# Altium PCB Display.PcbDoc
Units mil, origin at the board's own origin, x right, y up, seen from the top; angles counter-clockwise.
Board outline 2724.41 x 1968.5 mil, 4 copper layers (Top Layer, GND, POWER, Bottom Layer), stack 62.449 mil thick; 85 components, 65 nets, 358 pads, 324 vias.
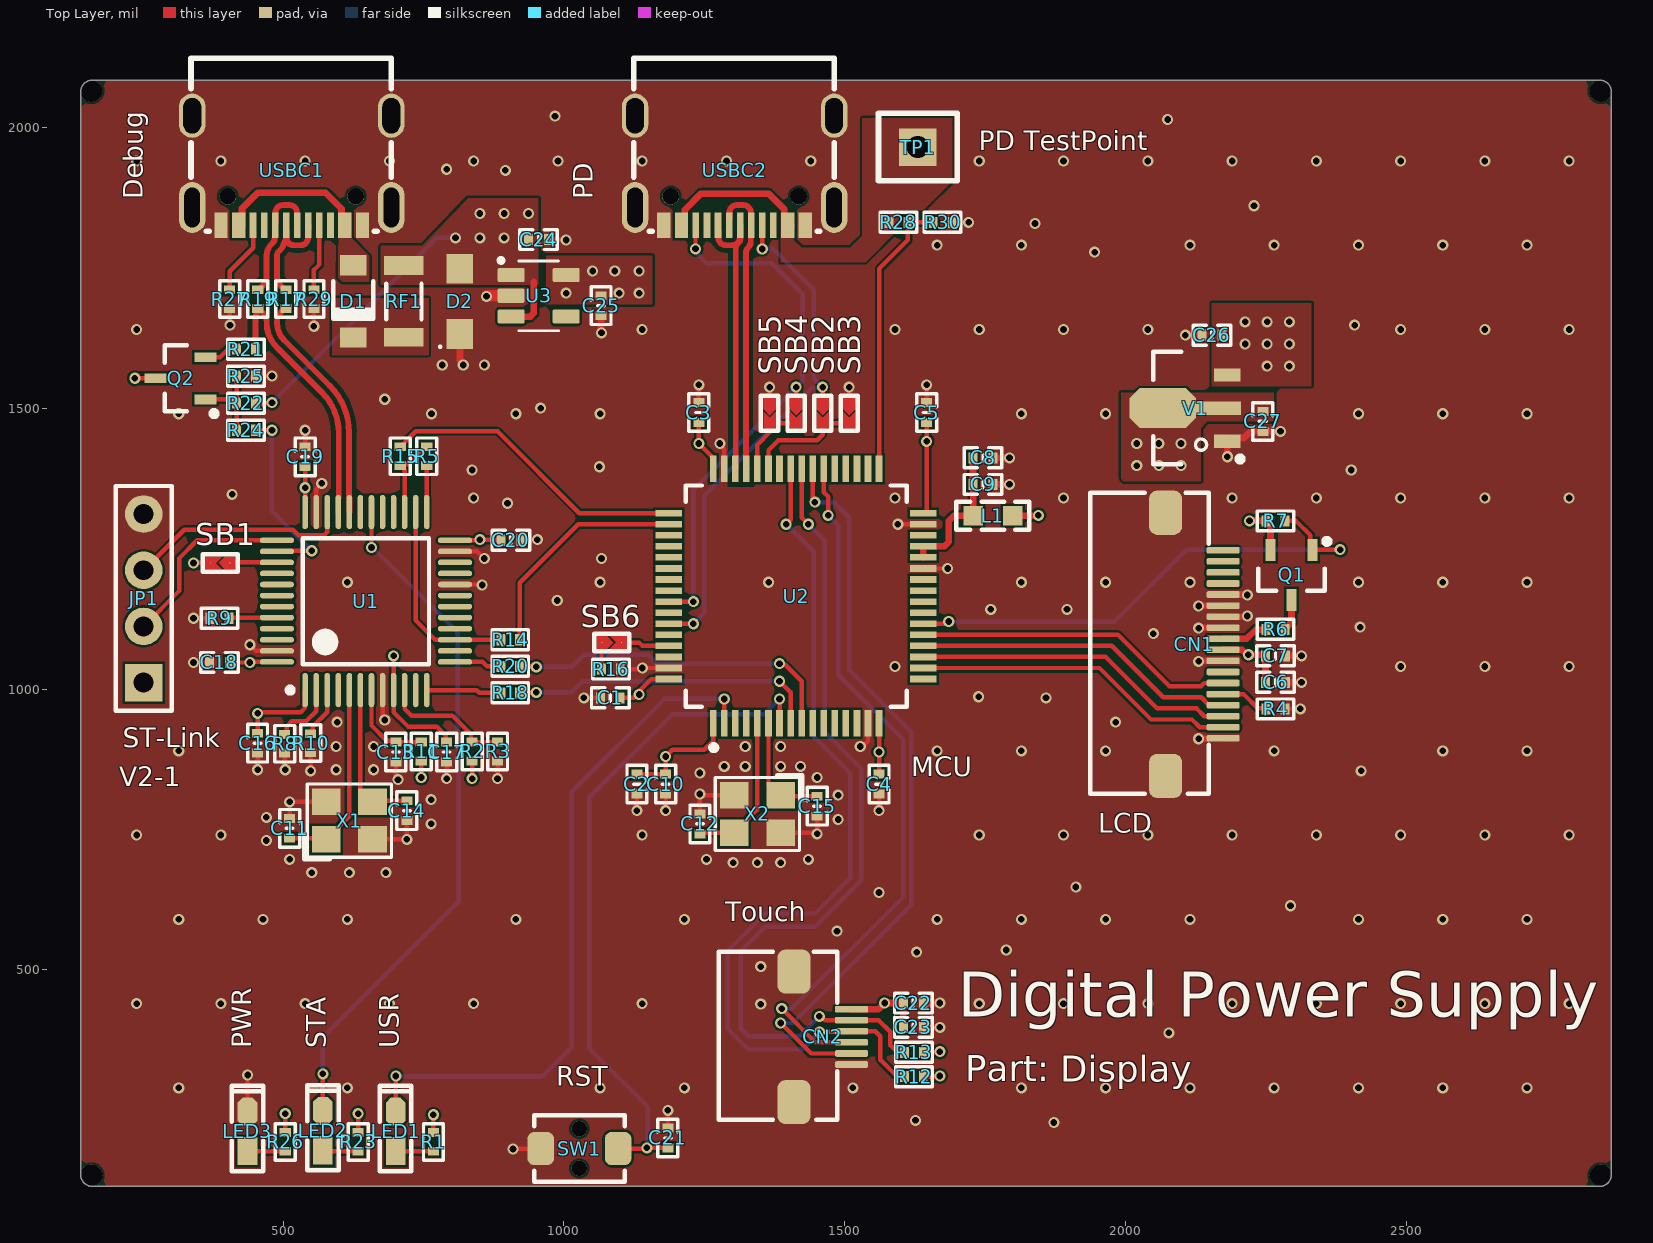
[diagram p0: Top Layer view]
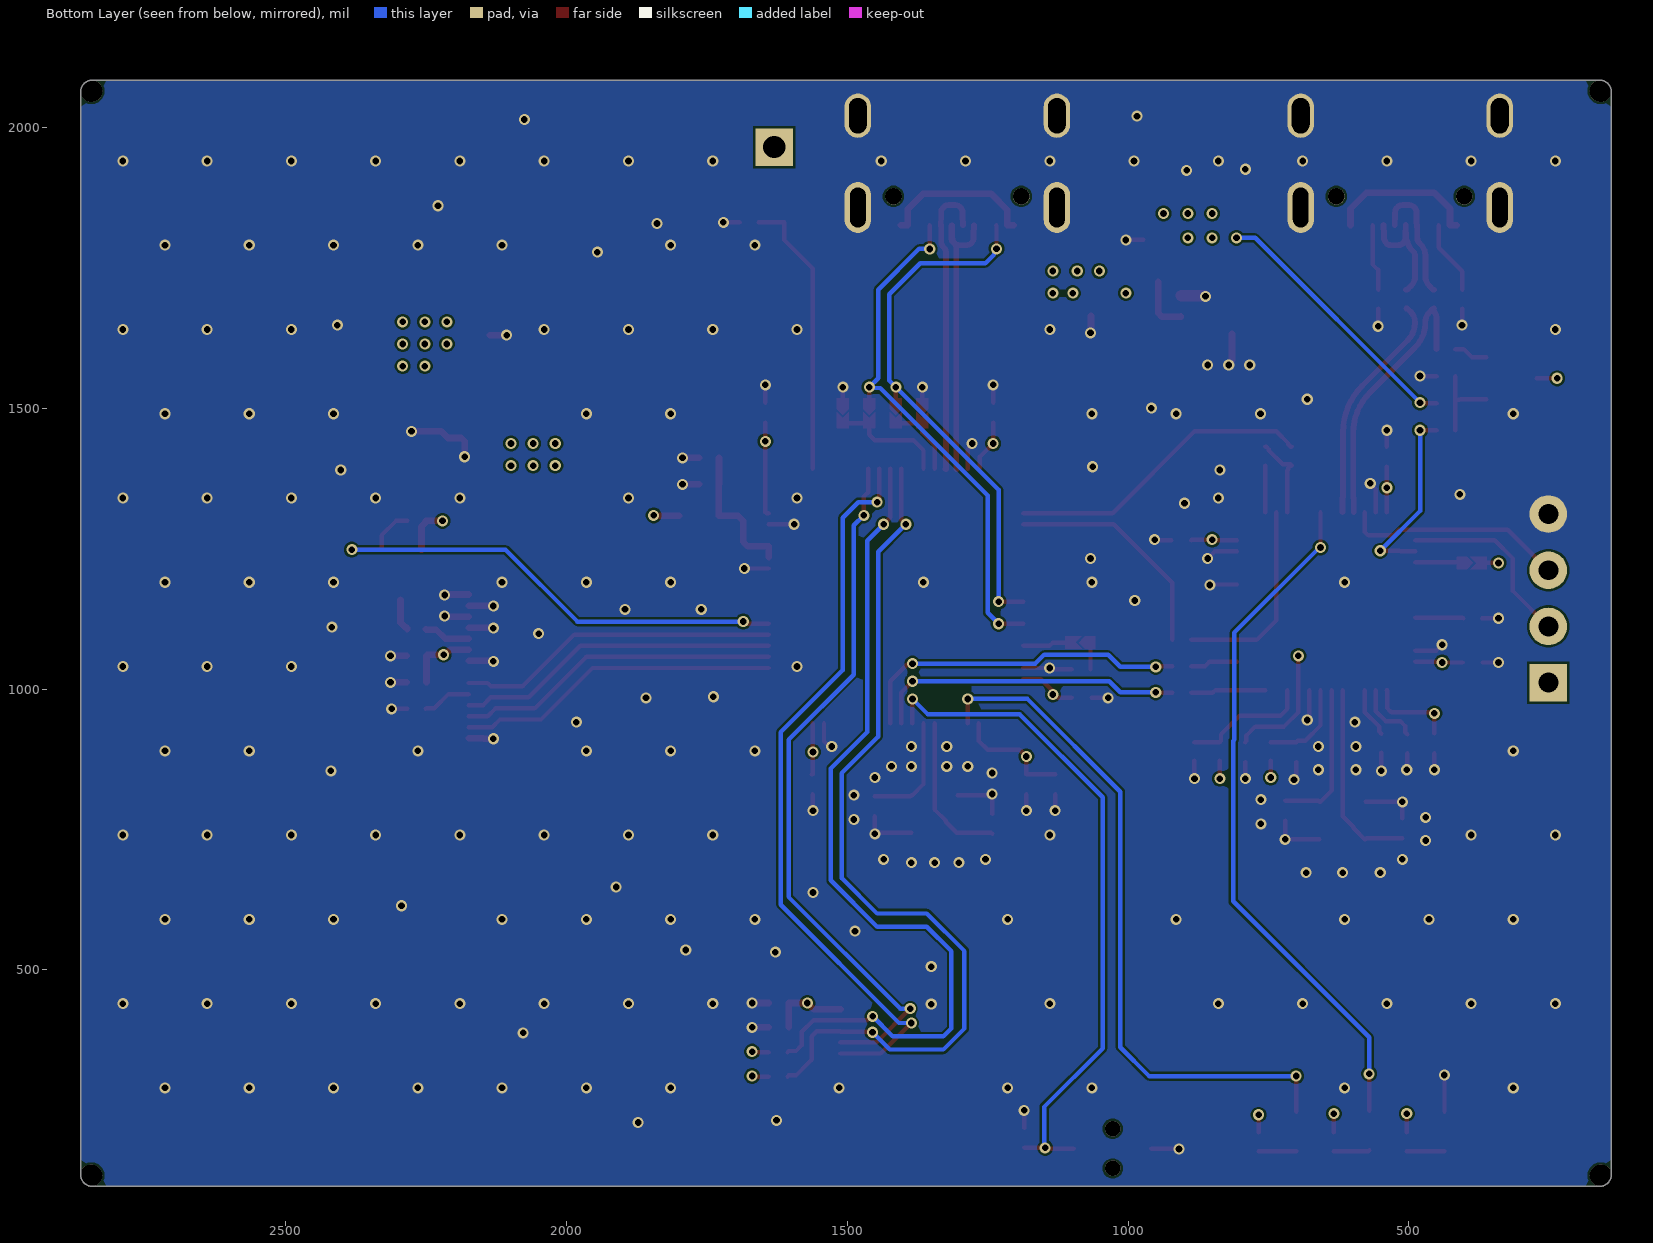
[diagram p1: Bottom Layer view, seen from below]
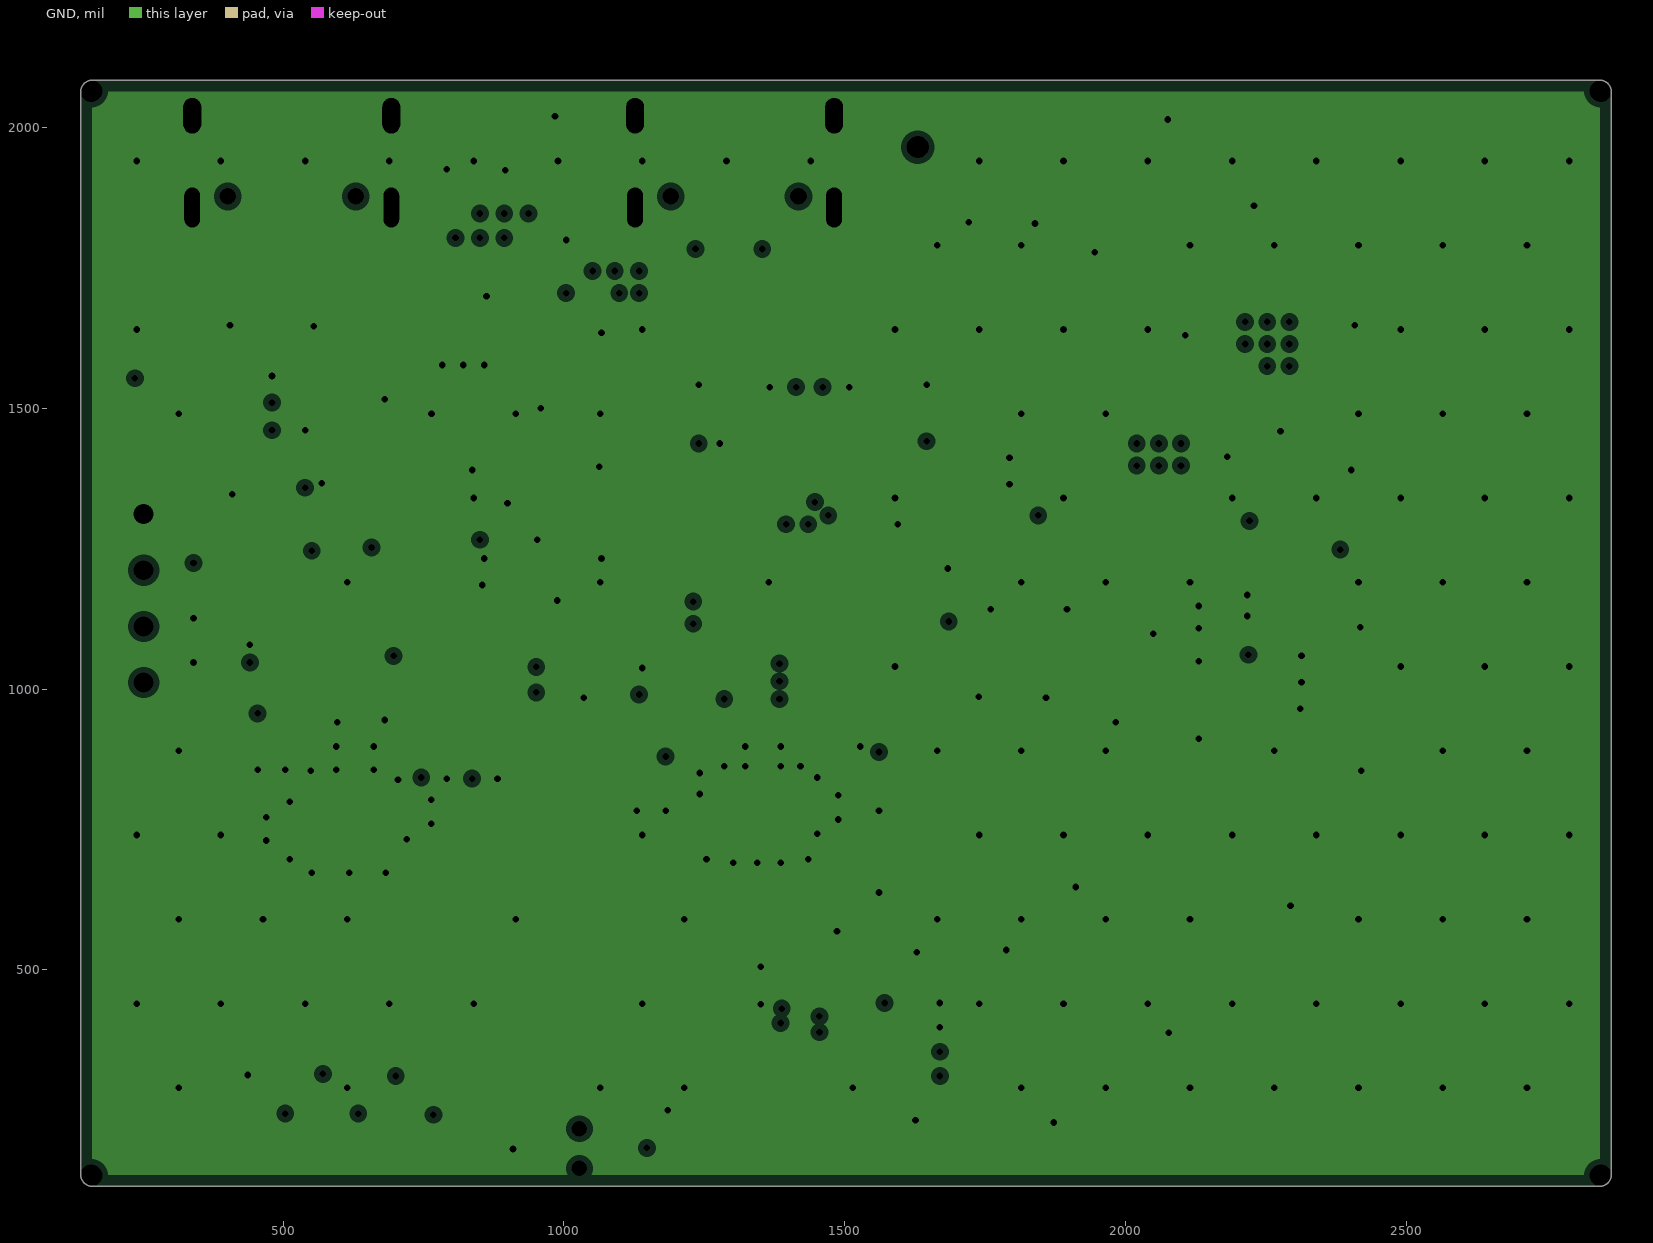
[diagram p2: GND, clearances drawn from the general rule]
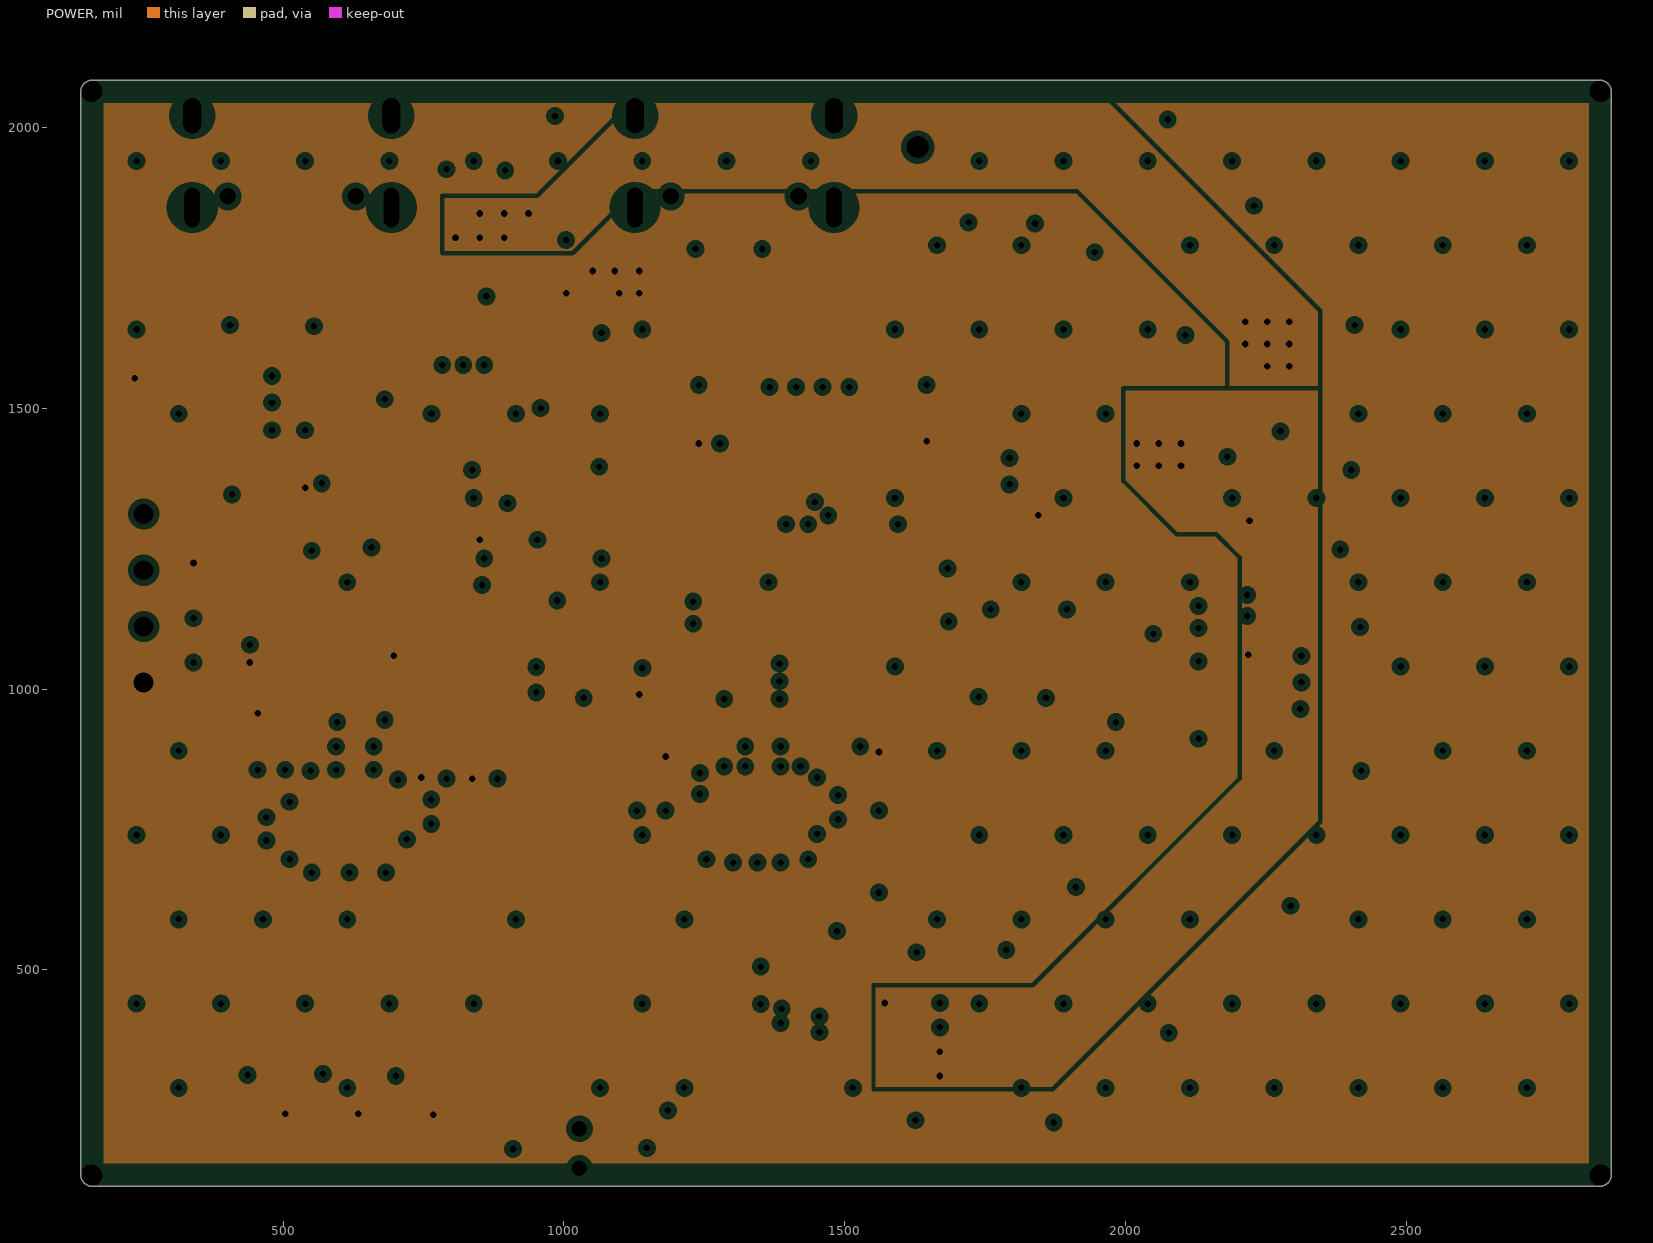
[diagram p3: POWER, clearances drawn from the general rule]

## Layer stack, top to bottom
Top Solder: solder mask 0.4, Solder Resist, Dk 3.5
Top Layer: signal copper 1.378
Dielectric 2: prepreg 8.2835, PP-023, Dk 4.5
GND: plane copper 0.5984, net GND
Dielectric 1: dielectric 41.9291, FR-4, Dk 4.8
POWER: plane copper 0.5984, net MCU_3V3
Dielectric 3: prepreg 8.2835, PP-023, Dk 4.5
Bottom Layer: signal copper 1.378
Bottom Solder: solder mask 0.4, Solder Resist, Dk 3.5

## Board outline
140,134.69 140,2063.82 cw(c159.69,2063.82) 159.69,2083.5 2844.72,2083.5 cw(c2844.72,2063.82) 2864.41,2063.82 2864.41,134.69 cw(c2844.72,134.69) 2844.72,115 159.69,115 cw(c159.69,134.69)

## Design rules (kind name [scope] priority, off if disabled: settings)
Clearance Clearance_90Ohm [InDifferentialPairClass('90Ohm')] p1: gap=7.87 ignorepadtopadclearanceinfootprint=TRUE
Clearance [All] p2: gap=3.94 ignorepadtopadclearanceinfootprint=TRUE
DiffPairsRouting DiffPair_90OhmDiffPairsRouting [InDifferentialPairClass('90Ohm')] p1: maxlimit=7.87 minlimit=7.87 mostfreqgap=7.87 toplayer_minwidth=10.41 toplayer_maxwidth=10.41 toplayer_prefwidth=10.41 bottomlayer_minwidth=10.41 bottomlayer_maxwidth=10.41 bottomlayer_prefwidth=10.41 maxuncoupledlength=500
DiffPairsRouting [All] p2: maxlimit=10 minlimit=10 mostfreqgap=10 toplayer_minwidth=15 toplayer_maxwidth=15 toplayer_prefwidth=15 bottomlayer_minwidth=15 bottomlayer_maxwidth=15 bottomlayer_prefwidth=15 maxuncoupledlength=500
HoleSize [All] p1: absolutevalues=TRUE maxlimit=3937.01 minlimit=7.87 maxpercent=80.000 minpercent=20.000
MatchedLengths DiffPair_90OhmMatchedLengths [InDifferentialPairClass('90Ohm')] p1: tolerance=118.11 checknetsindiffpair=TRUE checkdiffpairvsdiffpair=FALSE checkxsignals=FALSE checkothers=FALSE
MinimumSolderMaskSliver [All] p1: minsoldermaskwidth=0
PlaneClearance [All] p1: clearance=10
PlaneConnect [All] p1: planeconnectstyle=Direct reliefexpansion=20 reliefentries=4 reliefconductorwidth=10 reliefairgap=10
PolygonConnect [All] p1: connectstyle=Direct reliefconductorwidth=20 reliefentries=4 polygonreliefangle="90 Angle" airgapwidth=10
RoutingVias [All] p1: holewidth=11.81 width=19.68 viastyle="Through Hole" minholewidth=7.87 minwidth=17.72 maxholewidth=28 maxwidth=50
SilkToSilkClearance [All] p1: silktosilkclearance=0
SilkToSolderMaskClearance [IsPad] p1: minsilkscreentomaskgap=0 clearancetoexposedcopper=TRUE
SolderMaskExpansion [All] p1: expansion=4 istentingtop=FALSE
UnRoutedNet [All] p1: checkbadconnections=TRUE
Width [All] p1: maxlimit=100 minlimit=3.5 preferedwidth=7.87
22 further rules are at their usual default settings.

## Classes and differential pairs
differential pair class 90Ohm: MCU_USB USB USB_Debug
differential pair USB_Debug: +USB_Debug_P -USB_Debug_N
differential pair USB: +USB_P -USB_N
differential pair MCU_USB: +MCU_USB_P -MCU_USB_N

## Components (designator, comment, footprint, x,y, rotation, side; value= is the part's Value field where it differs from the comment)
C1 "10uF" "C 0402_L" 1082.68,984.25 r0 top
C2 "100nF" "C 0402_L" 1129.92,830.71 r90 top
C3 "100nF" "C 0402_L" 1240.16,1492.13 r270 top
C4 "100nF" "C 0402_L" 1561.02,830.71 r90 top
C5 "100nF" "C 0402_L" 1645.67,1492.13 r270 top
C6 "10uF" "C 0402_L" 2266.74,1011.81 r180 top
C7 "100nF" "C 0402_L" 2266.74,1059.06 r180 top
C8 "1uF" "C 0402_L" 1746.06,1411.42 r180 top
C9 "100nF" "C 0402_L" 1746.06,1364.17 r180 top
C10 "1uF" "C 0402_L" 1181.1,830.71 r90 top
C11 "10pF" "C 0402_L" 511.81,751.97 r90 top
C12 "15pF" "C 0402_L" 1242.13,759.84 r270 top
C13 "100nF" "C 0402_L" 700.79,887.8 r90 top
C14 "10pF" "C 0402_L" 720.47,783.46 r270 top
C15 "15pF" "C 0402_L" 1450.79,791.34 r90 top
C16 "10uF" "C 0402_L" 454.72,903.54 r90 top
C17 "100nF" "C 0402_L" 791.34,887.8 r90 top
C18 "100nF" "C 0402_L" 386.89,1047.24 r0 top
C19 "100nF" "C 0402_L" 539.37,1413.39 r270 top
C20 "100nF" "C 0402_L" 905.51,1264.84 r180 top
C21 "100nF" "C 0402_L" 1185.04,200.79 r90 top
C22 "10uF" "C 0402_L" 1622.05,440.94 r180 top
C23 "100nF" "C 0402_L" 1622.05,397.64 r180 top
C24 "1uF" "C 0402_L" 955,1800 r180 top
C25 "1uF" "C 0402_L" 1066.14,1682.28 r90 top
C26 "10uF" "C 0402_L" 2153.54,1629.92 r0 top
C27 "10uF" "C 0402_L" 2244.09,1476.38 r90 top
CN1 "LCD FPC Connector" FPC_CONNECTOR_0.5MM_18P 2173.5,912.24 r90 top locked
CN2 "LCD Touch Connector" FPC_CONNECTOR_0.5MM_6P 1512.05,331.54 r90 top locked
D1 "B5819W" MCC-SOD123_V 625,1690 r270 top
D2 "SMFJ6.0CA" SMFJ6.0CA 815,1690 r90 top
JP1 "HDR-1X4" HDR2.54-LI-4P 251.97,1161.42 r90 top
L1 "600R@100MHz" "L 0603" 1763.78,1308.15 r180 top
LED1 "绿色" "LED 0603G" 700.79,212.6 r90 top
LED2 "蓝色" "LED 0603B" 571.14,213.89 r90 top
LED3 "红色" "LED 0603R" 437.01,212.6 r90 top
Q1 "AO3401" SOT23-3L 2295.28,1202.76 r180 top
Q2 "S9013" SOT23-3L 317.2,1553.15 r90 top
R1 "470R" "R 0402_L" 767.72,192.91 r90 top
R2 "4.7K" "R 0402_L" 836.61,887.8 r90 top
R3 "4.7K" "R 0402_L" 881.89,887.8 r90 top
R4 "10K" "R 0402_L" 2267.72,964.57 r180 top
R5 "100R" "R 0402_L" 755.91,1415.35 r270 top
R6 "10R" "R 0402_L" 2267.72,1106.3 r180 top
R7 "10K" "R 0402_L" 2267.72,1299.21 r180 top
R8 "10K" "R 0402_L" 503.03,903.54 r270 top
R9 "100K" "R 0402_L" 385.83,1125.98 r0 top
R10 "10K" "R 0402_L" 549.21,904.61 r270 top
R11 "100K" "R 0402_L" 746.06,887.8 r90 top
R12 "10K" "R 0402_L" 1622.05,309.96 r0 top
R13 "10K" "R 0402_L" 1622.05,353.27 r0 top
R14 "22R" "R 0402_L" 905.51,1087.68 r180 top
R15 "22R" "R 0402_L" 708.66,1415.35 r270 top
R16 "10K" "R 0402_L" 1082.68,1035.43 r0 top
R17 "22R" "R 0402_L" 505,1695 r270 top
R18 "22R" "R 0402_L" 905.51,993.19 r180 top
R19 "22R" "R 0402_L" 455,1695 r270 top
R20 "22R" "R 0402_L" 905.51,1040.43 r180 top
R21 "1.5K" "R 0402_L" 433.07,1605 r0 top
R22 "10K" "R 0402_L" 433.07,1508.76 r0 top
R23 "470R" "R 0402_L" 633.86,192.91 r90 top
R24 "100R" "R 0402_L" 435.03,1460.63 r180 top
R25 "36K" "R 0402_L" 435.03,1556.87 r180 top
R26 "470R" "R 0402_L" 503.94,192.91 r90 top
R27 "5.1K" "R 0402_L" 405,1695 r270 top
R28 "17K4" "R 0402_L" 1594.49,1830.71 r0 top
R29 "5.1K" "R 0402_L" 555,1693.04 r90 top
R30 "3K" "R 0402_L" 1673.23,1830.71 r0 top
RF1 "1.1A/6V" MF-NSMF110-2 715,1690 r90 top
SB1 "SelectBit" "SELECTBIT 0402" 405.79,1224.41 r180 top
SB2 "SelectBit" "SELECTBIT 0402" 1460.63,1507.87 r270 top
SB3 "SelectBit" "SELECTBIT 0402" 1507.87,1507.87 r270 top
SB4 "SelectBit" "SELECTBIT 0402" 1413.39,1507.87 r270 top
SB5 "SelectBit" "SELECTBIT 0402" 1366.14,1507.87 r270 top
SB6 "SelectBit" "SELECTBIT 0402" 1067.72,1082.68 r0 top
SW1 "KEY" 小乌龟2脚轻触开关3.9*2.9 958.74,181.93 r0 top
TP1 "TEST TP" "TEST TP1.4_R" 1629.92,1964.57 r0 top
U1 "STM32F103C8T6" STM-LQFP48_L 647.64,1156.5 r90 top
U2 "STM32G474RET6" FP-LQFP64-5W-MFG 1413.39,1165.35 r90 top
U3 "RT9013-33GB" SOT94P279X129-5N 955,1700 r0 top
USBC1 "TYPE-C 2.0 -16P" USB-C-SMD_16P 515.55,1923.07 r0 top locked
USBC2 "TYPE-C 2.0 -16P" USB-C-SMD_16P 1303.86,1923.07 r0 top locked
V1 "AMS1117-3V3" SOT89_L 2169.17,1500 r90 top
X1 "8MHz" XTAL-3225-4P 618.11,765.75 r0 top
X2 "24MHz" XTAL-3225-4P 1344.49,777.56 r180 top

## Footprints (in the part's own frame and the unit in brackets; to place one, negate y for a bottom-side part, rotate by r counter-clockwise, add the part's x,y. Pads: shape width x height; smd on the part's side, far side on the other; paste and mask are expansions set on the pad)
"C 0402_L" [mm] "无极性贴片电容"
  rect 0.4x0.5 smd: 1(-0.45,0) 2(0.45,0)
  silkscreen extent -0.85,-0.45 0.85,0.45, body extent -0.5,-0.26 0.5,0.26, height 0.53
FP-LQFP64-5W-MFG [mm]
  rect 1.2x0.3 smd paste+0 mask+0: 1(-5.75,3.75) 2(-5.75,3.25) 3(-5.75,2.75) 4(-5.75,2.25) 5(-5.75,1.75) 6(-5.75,1.25) 7(-5.75,0.75) 8(-5.75,0.25) 9(-5.75,-0.25) 10(-5.75,-0.75) 11(-5.75,-1.25) 12(-5.75,-1.75) 13(-5.75,-2.25) 14(-5.75,-2.75) 15(-5.75,-3.25) 16(-5.75,-3.75) 33(5.75,-3.75) 34(5.75,-3.25) 35(5.75,-2.75) 36(5.75,-2.25) 37(5.75,-1.75) 38(5.75,-1.25) 39(5.75,-0.75) 40(5.75,-0.25) 41(5.75,0.25) 42(5.75,0.75) 43(5.75,1.25) 44(5.75,1.75) 45(5.75,2.25) 46(5.75,2.75) 47(5.75,3.25) 48(5.75,3.75)
  rect 0.3x1.2 smd paste+0 mask+0: 17(-3.75,-5.75) 18(-3.25,-5.75) 19(-2.75,-5.75) 20(-2.25,-5.75) 21(-1.75,-5.75) 22(-1.25,-5.75) 23(-0.75,-5.75) 24(-0.25,-5.75) 25(0.25,-5.75) 26(0.75,-5.75) 27(1.25,-5.75) 28(1.75,-5.75) 29(2.25,-5.75) 30(2.75,-5.75) 31(3.25,-5.75) 32(3.75,-5.75) 49(3.75,5.75) 50(3.25,5.75) 51(2.75,5.75) 52(2.25,5.75) 53(1.75,5.75) 54(1.25,5.75) 55(0.75,5.75) 56(0.25,5.75) 57(-0.25,5.75) 58(-0.75,5.75) 59(-1.25,5.75) 60(-1.75,5.75) 61(-2.25,5.75) 62(-2.75,5.75) 63(-3.25,5.75) 64(-3.75,5.75)
  silkscreen extent -6.97,-5 5,5, body extent -6.45,-6.45 6.45,6.45, height 0.25
FPC_CONNECTOR_0.5MM_6P [mm]
  rrect50% 2x1.5 smd: 0(-1.7,2.6) 0(4.2,2.6)
  rrect50% 0.3x1.5 smd mask+0: 1(0,0) 2(0.5,0) 3(1,0) 4(1.5,0) 5(2,0) 6(2.5,0)
  silkscreen extent -2.5,0.65 5.1,6, body extent -2.3,0.05 4.8,6.55, height 2.25
FPC_CONNECTOR_0.5MM_18P [mm]
  rrect50% 2x1.5 smd: 0(-1.7,2.6) 0(10.2,2.6)
  rrect50% 0.3x1.5 smd mask+0: 1(0,0) 2(0.5,0) 3(1,0) 4(1.5,0) 5(2,0) 6(2.5,0) 7(3,0) 8(3.5,0) 9(4,0) 10(4.5,0) 11(5,0) 12(5.5,0) 13(6,0) 14(6.5,0) 15(7,0) 16(7.5,0) 17(8,0) 18(8.5,0)
  silkscreen extent -2.5,0.65 11.1,6, body extent -2.3,0.05 10.8,6.55, height 2.25
HDR2.54-LI-4P [mm] "排针，4脚"
  rect 1.7x1.7 hole 0.9: 1(-3.81,0)
  round 1.7 hole 0.9: 2(-1.27,0) 3(1.27,0) 4(3.81,0)
  silkscreen extent -5.08,-1.27 5.08,1.27, body extent -5.08,-1.27 5.08,1.27, height 2.54
"L 0603" [mil] "小功率贴片电感"
  rect 35x35 smd: 1(-35,0) 2(35,0)
  silkscreen extent -65,-25 65,25, body extent -31,-16 31,16, height 31
"LED 0603B" [mil] "蓝色0603LED"
  rect 50x35 smd: 1(-35,0.26)
  oct 50x35 smd: 2(35,0.26)
  silkscreen extent -71,-28 81,28, body extent -31,-16 32,16, height 24
"LED 0603G" [mil] "绿色0603LED"
  rect 50x35 smd: 1(-35,0.26)
  oct 50x35 smd: 2(35,0.26)
  silkscreen extent -71,-28 81,28, body extent -31,-16 32,16, height 18
"LED 0603R" [mil] "红色0603LED"
  rect 50x35 smd: 1(-35,0.26)
  oct 50x35 smd: 2(35,0.26)
  silkscreen extent -71,-28 81,28, body extent -31,-16 31,16, height 18
MCC-SOD123_V [mil] "SOD123, 2-Leads, Body 2.7x1.6mm, Height 1.35mm"
  rect 35.98x47.99 smd: 1(-64.5,0) 2(64.5,0)
  silkscreen extent -36,-35 31,35, body extent -53,-31 53,31, height 53
MF-NSMF110-2 [mm] "贴片自恢复保险丝1206"
  rect 0.85x1.8 smd: 1(-1.625,0) 2(1.625,0)
  silkscreen extent -0.8,-0.8 0.8,0.8, body extent -1.67,-0.82 1.67,0.82, height 0.71
"R 0402_L" [mm] "1/16W贴片电阻"
  rect 0.4x0.5 smd: 1(-0.4,0) 2(0.45,0)
  silkscreen extent -0.8,-0.45 0.85,0.45, body extent -0.5,-0.25 0.5,0.25, height 0.3
"SELECTBIT 0402" [mil]
  round 1 smd mask+3.94: 1(0,0) 2(34.65,0)
  Top Layer region: 9.45,10.83 -9.45,10.83 -9.45,-10.83 9.45,-10.83 20.28,0
  Top Layer region: 13.98,-10.83 44.09,-10.83 44.09,10.83 14.76,10.83 25.2,0.39
  silkscreen extent -14,-15 48,15
SMFJ6.0CA [mm] "贴片TVS瞬变抑制二极管 6V/双向"
  rect 1.35x1.2 smd: 1(-1.475,0) 2(1.475,0)
  silkscreen extent -2.1,0.85 -2,0.95, body extent -1.45,-0.97 1.45,0.97, height 1.4
SOT23-3L [mm] "3x1.3x1mm(长宽高)"
  rect 0.45x1 smd: 1(-0.95,-1.143) 2(0.95,-1.143) 3(0,1.125)
  silkscreen extent -1.73,-1.65 1.5,0.7, body extent -1.5,-1.2 1.5,1.2, height 1.05
SOT89_L [mm] "4.6x4.3x1.6mm(长宽高)"
  rect 0.6x1.2 smd: 1(-1.5,-0.303) 3(1.5,-0.303)
  oct 1.8x3 smd: 2(0,2.616)
  rect 0.6x2.1 smd: 2(0,0.127)
  silkscreen extent -2.54,-1 2.54,3.05, body extent -2.3,-0.88 2.3,3.42, height 1.6
SOT94P279X129-5N [mm]
  rrect25% 1.22x0.65 smd: 1(-1.245,0.94) 2(-1.245,0) 3(-1.245,-0.94) 4(1.245,-0.94) 5(1.245,0.94)
  silkscreen extent -1.8,-1.58 0.9,1.7, body extent -1.4,-1.45 1.4,1.45, height 1.3
STM-LQFP48_L [mm] "QFP, 48-Leads, Body 7x7mm, Pitch 0.5mm, IPC High Density"
  oval 1.55x0.25 smd: 1(-4.025,2.75) 2(-4.025,2.25) 3(-4.025,1.75) 4(-4.025,1.25) 5(-4.025,0.75) 6(-4.025,0.25) 7(-4.025,-0.25) 8(-4.025,-0.75) 9(-4.025,-1.25) 10(-4.025,-1.75) 11(-4.025,-2.25) 12(-4.025,-2.75) 25(4.025,-2.75) 26(4.025,-2.25) 27(4.025,-1.75) 28(4.025,-1.25) 29(4.025,-0.75) 30(4.025,-0.25) 31(4.025,0.25) 32(4.025,0.75) 33(4.025,1.25) 34(4.025,1.75) 35(4.025,2.25) 36(4.025,2.75)
  oval 0.25x1.55 smd: 13(-2.75,-4.025) 14(-2.25,-4.025) 15(-1.75,-4.025) 16(-1.25,-4.025) 17(-0.75,-4.025) 18(-0.25,-4.025) 19(0.25,-4.025) 20(0.75,-4.025) 21(1.25,-4.025) 22(1.75,-4.025) 23(2.25,-4.025) 24(2.75,-4.025) 37(2.75,4.025) 38(2.25,4.025) 39(1.75,4.025) 40(1.25,4.025) 41(0.75,4.025) 42(0.25,4.025) 43(-0.25,4.025) 44(-0.75,4.025) 45(-1.25,4.025) 46(-1.75,4.025) 47(-2.25,4.025) 48(-2.75,4.025)